# Altium PCB spin5v1_simple.PcbDoc (part 4 of 25)
Units mm, origin at the board's own origin, x right, y up, seen from the top; angles counter-clockwise.
Board outline 220.03 x 233.43 mm, 2 copper layers (TOP, BOTTOM), stack 0.176 mm thick; 1457 components, 4724 nets, 19245 pads, 25289 vias.
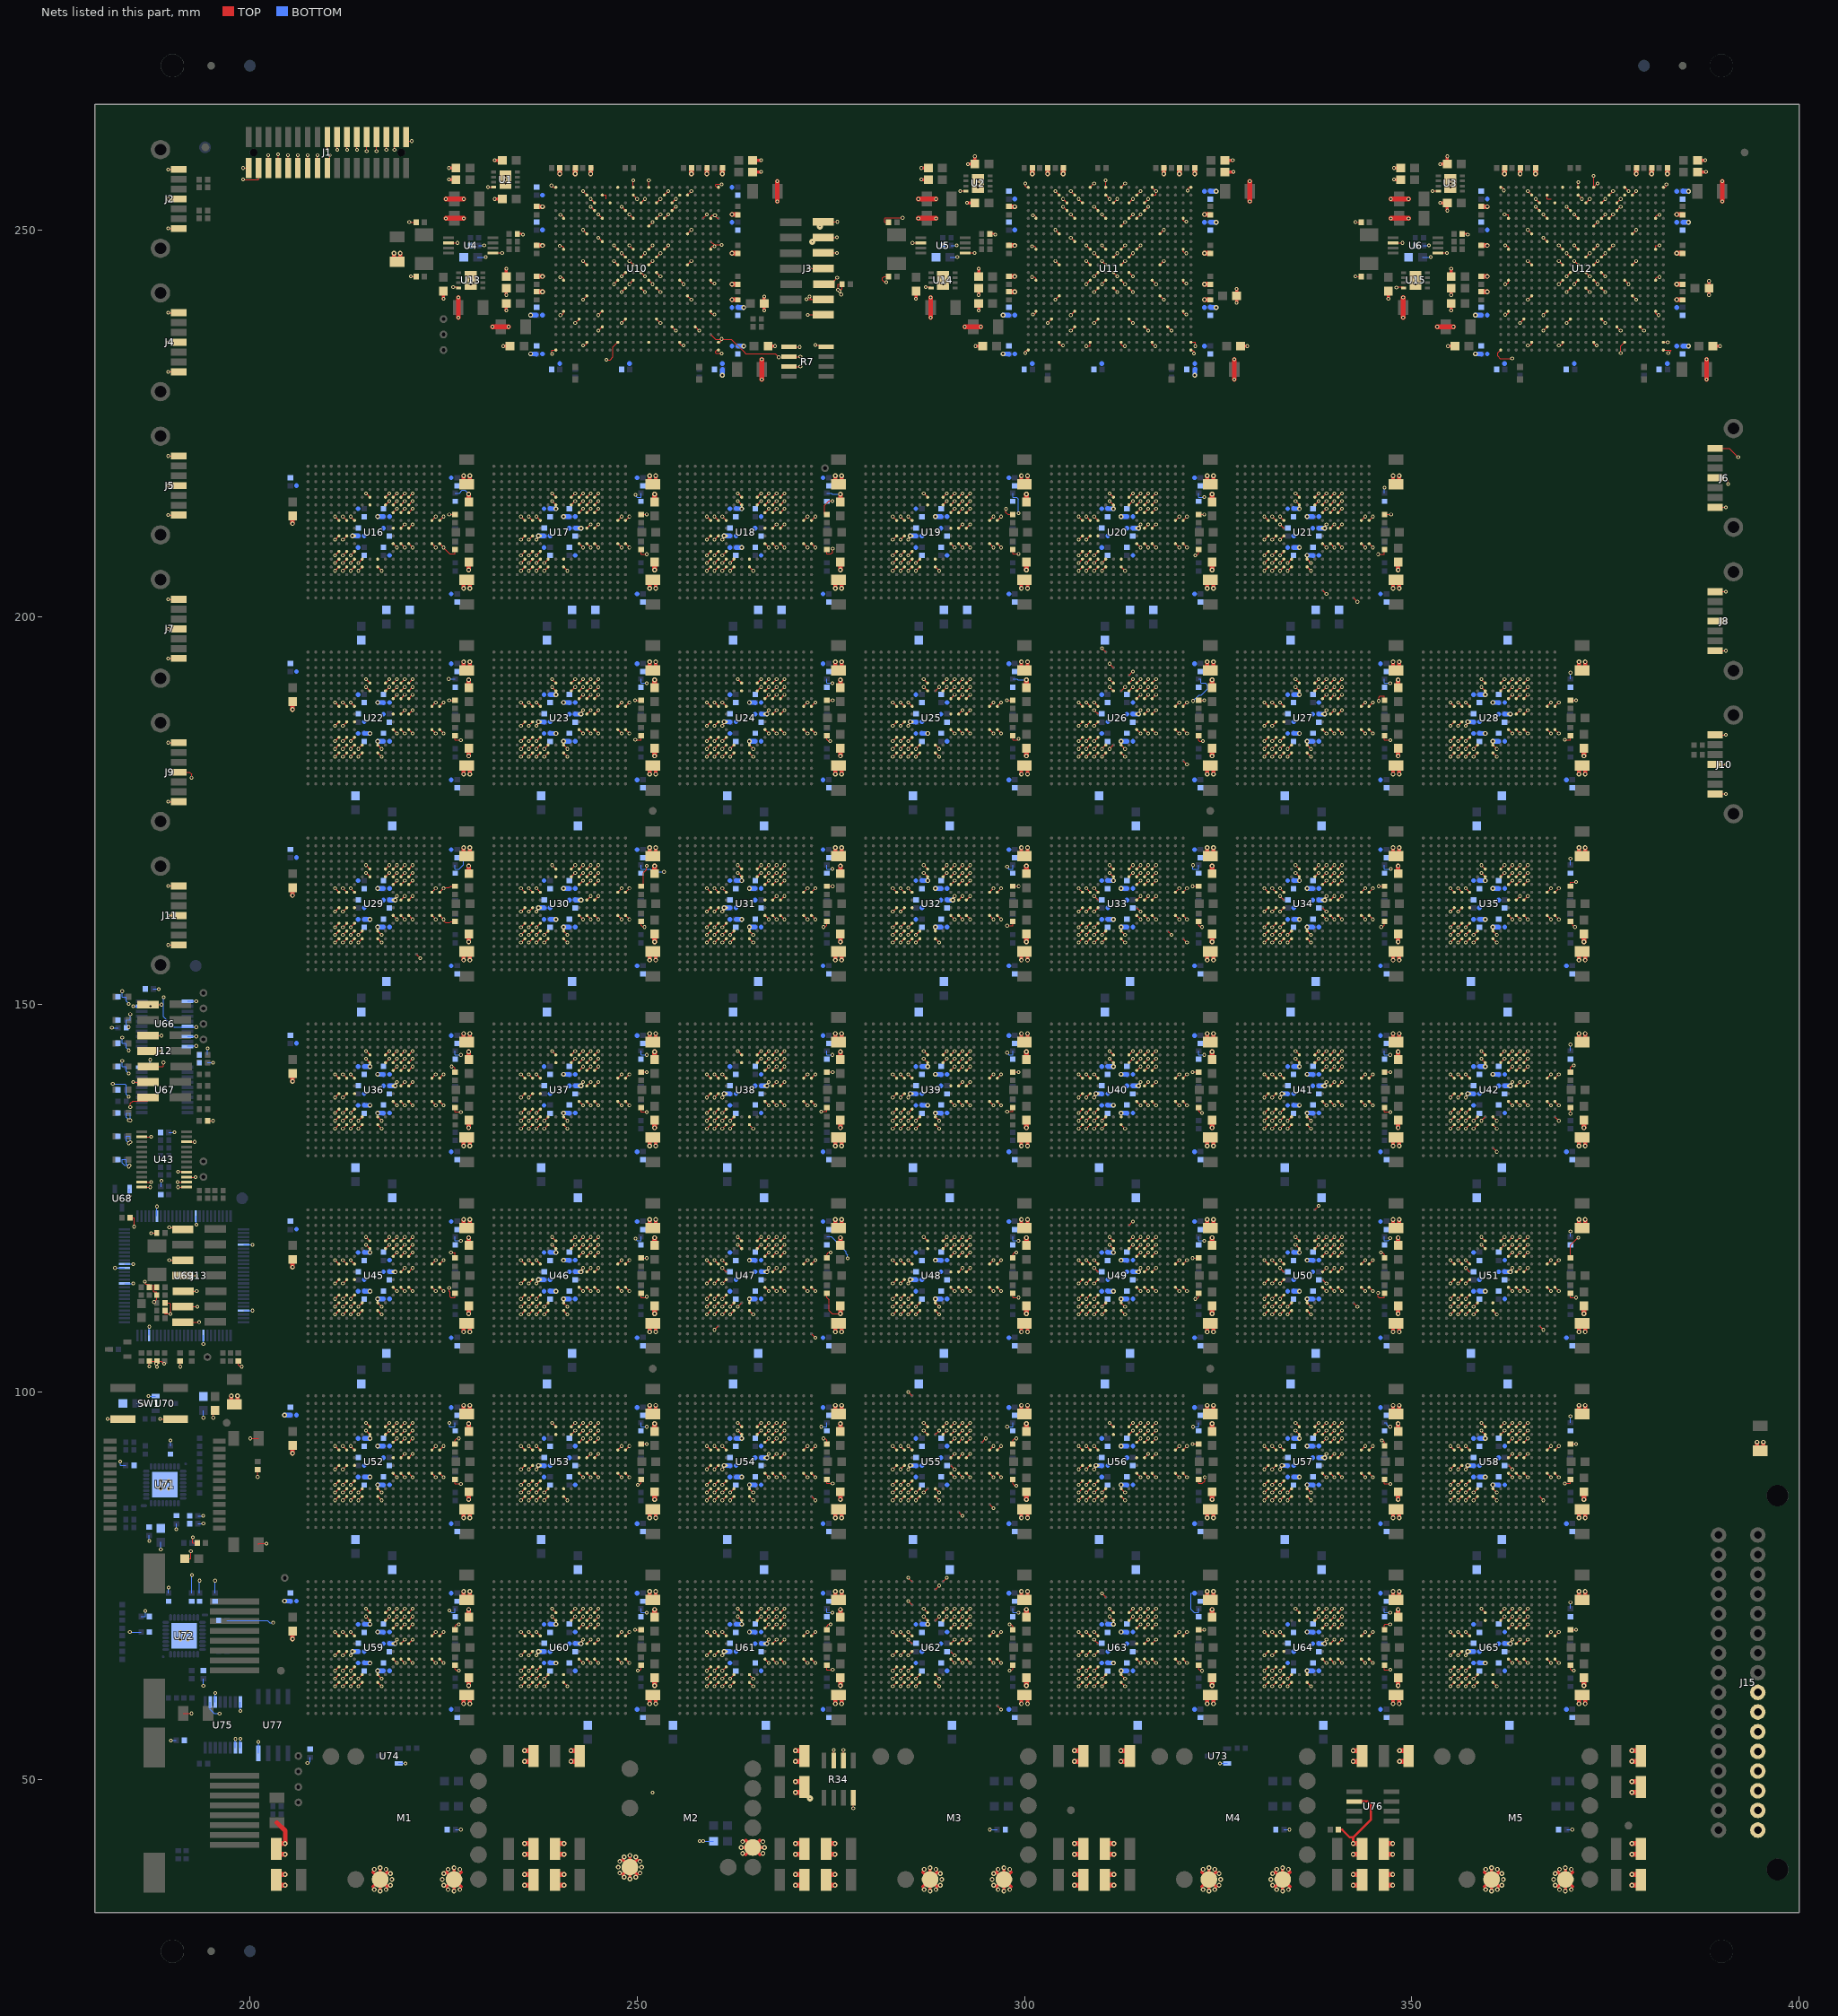
[diagram p4: the nets of this part, all layers, seen from the top]

## Via types
v1: diameter 0.48, hole 0.25, TOP to BOTTOM, 22348 vias
v2: diameter 0.61, hole 0.3, TOP to BOTTOM, 2059 vias
v3: diameter 0.8, hole 0, TOP to BOTTOM, 882 vias

## Nets (pads, with @x,y where several pads share a name; then routed paths per layer and width w, separated by ;. In a path a pad name is that pad's centre, name@x,y a point inside that pad or via, vN(x,y) a via of type N, cw(c..) or ccw(c..) an arc to the next point about the centre after c; other vN are vias at no path point) (continued)
GND: C1.2 C2.2 C3.2 C4.2 C5.2 C6.2 C7.2 C8.2 C9.2 C10.2 C11.2 C12.2 C13.2 C14.2 C15.2 C16.2 C17.2 C18.2 C19.2 C20.2 C21.2 C22.2 C23.2 C24.2 C25.2 C26.2 C27.2 C28.2 C29.2 C30.2 C32.2 C33.2 C34.2 C39.2 C43.2 C44.2 C46.2 C47.2 C48.2 C49.2 C50.2 C51.2 C56.2 C57.2 C58.2 C59.2 C60.2 C61.2 C66.2 C67.2 C69.2 C70.2 C72.2 C73.2 C74.2 C75.2 C76.2 C77.2 C78.2 C79.2 C80.2 C81.2 C82.2 C83.2 C84.2 C85.2 C86.2 C87.2 C88.2 C89.2 C90.2 C91.2 C92.2 C93.2 C94.2 C95.2 C96.2 C97.2 C98.2 C99.2 C100.2 C101.2 C102.2 C103.2 C110.2 C111.2 C112.2 C113.2 C114.2 C115.2 C120.2 C121.2 C122.2 C123.2 C124.2 C125.2 C128.2 C130.2 C131.2 C132.2 C133.2 C134.2 C135.2 C136.2 C137.2 C138.2 C139.2 C140.2 C141.2 C142.2 C143.2 C144.2 C145.2 C146.2 C147.2 C148.2 C149.2 C150.2 C151.2 C152.2 C153.2 C154.2 C155.2 C156.2 C157.2 C158.2 C159.2 C160.2 C161.2 C162.2 C163.2 C164.2 C165.2 C166.2 C167.2 C168.2 C169.2 C170.2 C171.2 C172.2 C173.2 C174.2 C175.2 C176.2 C177.2 C178.2 C179.2 C180.2 C181.2 C182.2 C183.2 C184.2 C185.2 C186.2 C187.2 C188.2 C189.2 C190.2 C191.2 C192.2 C193.2 C196.2 C197.2 C198.2 C199.2 C200.2 C201.2 C202.2 C203.2 C204.2 C205.2 C206.2 C207.2 C208.2 C209.2 C210.2 C211.2 C212.2 C213.2 C214.2 C215.2 C216.2 C217.2 C218.2 C219.2 C220.2 C221.2 C222.2 C223.2 C226.2 C227.2 C228.2 C229.2 C230.2 C231.2 C232.2 C233.2 C234.2 C235.2 C236.2 C237.2 C238.2 C239.2 C242.2 C243.2 C244.2 C245.2 C246.2 C247.2 C248.2 C249.2 C250.2 C251.2 C252.2 C253.2 C254.2 C255.2 C256.2 C257.2 C258.2 C259.2 C260.2 C261.2 C262.2 C263.2 C264.2 C265.2 C266.2 C267.2 C268.2 C269.2 C270.2 C271.2 C272.2 C273.2 C274.2 C275.2 C276.2 C277.2 C278.2 C279.2 C280.2 C281.2 C282.2 C283.2 C284.2 C285.2 C286.2 C287.2 C288.2 C289.2 C290.2 C291.2 C292.2 C293.2 C294.2 C295.2 C296.2 C297.2 C298.2 C299.2 C300.2 C301.2 C302.2 C303.2 C304.2 C305.2 C306.2 C307.2 C308.2 C309.2 C310.2 C311.2 C312.2 C313.2 C314.2 C315.2 C316.2 C317.2 C318.2 C319.2 C320.2 C321.2 C322.2 C323.2 C324.2 C325.2 C326.2 C327.2 C328.2 C329.2 C330.2 C331.2 C332.2 C333.2 C334.2 C335.2 C336.2 C337.2 C338.2 C339.2 C340.2 C341.2 C342.2 C343.2 C344.2 C345.2 C346.2 C347.2 C348.2 C349.2 C350.2 C351.2 C352.2 C353.2 C354.2 C355.2 C356.2 C357.2 C358.2 C359.2 C360.2 C361.2 C362.2 C364.2 C365.2 C366.2 C367.2 C368.2 C369.2 C370.2 C371.2 C372.2 C373.2 C374.2 C375.2 C376.2 C377.2 C378.2 C379.2 C380.2 C381.2 C382.2 C383.2 C384.2 C385.2 C386.2 C387.2 C389.2 C390.2 C391.2 C392.2 C393.2 C394.2 C395.2 C396.2 C397.2 C398.2 C399.2 C400.2 C401.2 C402.2 C403.2 C404.2 C405.2 C406.2 C407.2 C408.2 C409.2 C410.2 C411.2 C412.2 C413.2 C414.2 C415.2 C416.2 C417.2 C418.2 C419.2 C420.2 C421.2 C422.2 C423.2 C424.2 C425.2 C426.2 C427.2 C428.2 C429.2 C430.2 C431.2 C432.2 C433.2 C434.2 C435.2 C436.2 C437.2 C438.2 C439.2 C440.2 C441.2 C442.2 C443.2 C444.2 C445.2 C446.2 C447.2 C448.2 C449.2 C450.2 C451.2 C452.2 C453.2 C454.2 C455.2 C456.2 C457.2 C458.2 C459.2 C460.2 C461.2 C462.2 C463.2 C464.2 C465.2 C466.2 C467.2 C468.2 C469.2 C470.2 C471.2 C472.2 C473.2 C476.2 C477.2 C478.2 C479.2 C480.2 C481.2 C484.2 C485.2 C486.2 C487.2 C488.2 C489.2 C490.2 C491.2 C492.2 C495.2 C496.2 C497.2 C498.2 C499.2 C500.2 C503.2 C504.2 C505.2 C506.2 C507.2 C508.2 C509.2 C510.2 C511.2 C512.2 C513.2 C514.2 C515.2 C516.2 C517.2 C518.2 C519.2 C520.2 C521.2 C522.2 C523.2 C524.2 C525.2 C526.2 C527.2 C528.2 C529.2 C530.2 C531.2 C532.2 C533.2 C534.2 C535.2 C536.2 C537.2 C538.2 C539.2 C540.2 C541.2 C542.2 C543.2 C544.2 C549.2 C550.2 C551.2 C552.2 C553.2 C554.2 C555.2 C556.2 C557.2 C558.2 C559.2 C560.2 C561.2 C562.2 C563.2 C564.2 C565.2 C566.2 C567.2 C572.2 C573.2 C574.2 C575.2 C576.2 C577.2 C578.2 C579.2 C580.2 C581.2 C582.2 C583.2 C584.2 C585.2 C586.2 C587.2 C588.2 C589.2 C590.2 C591.2 C592.2 C593.2 C594.2 C595.2 C596.2 C597.2 C598.2 C599.2 C600.2 C601.2 C602.2 C603.2 C604.2 C605.2 C606.2 C607.2 C608.2 C609.2 C610.2 C611.2 C612.2 C613.2 C614.2 C615.2 C616.2 C617.2 C618.2 C619.2 C620.2 C625.2 C626.2 C627.2 C628.2 C629.2 C630.2 C631.2 C634.2 C635.2 C636.2 C637.2 C638.2 C639.2 C640.2 C641.2 C642.2 C643.2 C644.2 C645.2 C646.2 C647.2 C648.2 C649.2 C650.2 C651.2 C652.2 C653.2 C654.2 C655.2 C656.2 C657.2 C658.2 C659.2 C660.2 C661.2 C662.2 C663.2 C664.2 C665.2 C666.2 C667.2 C668.2 C669.2 C670.2 C671.2 C672.2 C673.2 C674.2 C675.2 C676.2 C677.2 C678.2 C679.2 C680.2 C681.2 C682.2 C683.2 C684.2 C685.2 C686.2 C687.2 C688.2 C689.2 C690.2 C691.2 C692.2 C693.2 C694.2 C695.2 C696.2 C697.2 C698.2 C699.2 C700.2 C701.2 C702.2 C703.2 C704.2 C705.2 C706.2 C707.2 C708.2 C709.2 C710.2 C711.2 C712.2 C713.2 C714.2 C715.2 C716.2 C717.2 C718.2 C719.2 C720.2 C721.2 C722.2 C723.2 C724.2 C725.2 C726.2 C727.2 C728.2 C729.2 C730.2 C731.2 C732.2 C733.2 C734.2 C735.2 C736.2 C737.2 C738.2 C739.2 C740.2 C741.2 C742.2 C743.2 C744.2 C745.2 C746.2 C747.2 C748.2 C749.2 C750.2 C751.2 C752.2 C753.2 C754.2 C755.2 C756.2 C757.2 C758.2 C759.2 C760.2 C761.2 C762.2 C763.2 C764.2 C765.2 C766.2 C767.2 C768.2 C769.2 C770.2 C771.2 C772.2 C773.2 C774.2 C775.2 C776.2 C777.2 C778.2 C779.2 C780.2 C781.2 C782.2 C783.2 C784.2 C785.2 C786.2 C787.2 C788.2 C789.2 C790.2 C791.2 C792.2 C793.2 C794.2 C795.2 C796.2 C797.2 C798.2 C799.2 C800.2 C801.2 C802.2 C803.2 C804.2 C805.2 C806.2 C807.2 C808.2 C809.2 C810.2 C811.2 C812.2 C813.2 C814.2 C815.2 C816.2 C817.2 C818.2 C819.2 C820.2 C821.2 C822.2 C823.2 C824.2 C825.2 C826.2 C827.2 C828.2 C829.2 C830.2 C831.2 C832.2 C833.2 C834.2 C835.2 C836.2 C837.2 C838.2 C839.2 C840.2 C841.2 C842.2 C843.2 C844.2 C845.2 C846.2 C847.2 C848.2 C849.2 C850.2 C851.2 C852.2 C853.2 C854.2 C855.2 C856.2 C857.2 C858.2 C859.2 C860.2 C861.2 C862.2 C863.2 C864.2 C865.2 C866.2 C867.2 C868.2 C869.2 C870.2 C871.2 C872.2 C873.2 C874.2 C875.2 C876.2 C877.2 C878.2 C879.2 C880.2 C881.2 C882.2 C883.2 C884.2 C885.2 C886.2 C887.2 C888.2 C889.2 C890.2 C891.2 C892.2 C893.2 C894.2 C895.2 C896.2 C897.2 C898.2 C899.2 C900.2 C901.2 C902.2 C903.2 C904.2 C905.2 C906.2 C907.2 C908.2 C909.2 C910.2 C911.2 C912.2 C913.2 C914.2 C915.2 C916.2 C917.2 C918.2 C919.2 C920.2 C921.2 C922.2 C923.2 C924.2 C925.2 C926.2 C927.2 C928.2 C929.2 C930.2 C931.2 C932.2 C933.2 C934.2 C935.2 C936.2 C937.2 C938.2 C939.2 C940.2 C941.2 C942.2 C943.2 C944.2 C945.2 C946.2 C947.2 C948.2 C949.2 C950.2 C951.2 C952.2 C953.2 C954.2 C955.2 C956.2 C957.2 C958.2 C959.2 C960.2 C961.2 C962.2 C963.2 C964.2 C965.2 C966.2 C967.2 C968.2 C969.2 C970.2 C971.2 C972.2 C973.2 C974.2 C975.2 C976.2 C977.2 C978.2 C979.2 C980.2 C981.2 C982.2 C983.2 C984.2 C985.2 C986.2 C987.2 C988.2 C989.2 C990.2 C991.2 C993.2 C994.2 C995.2 C996.2 C997.2 C998.2 C999.2 C1000.2 C1001.2 C1002.2 C1003.2 C1004.2 C1005.2 C1006.2 C1007.2 C1008.2 C1009.2 C1011.2 C1012.2 C1013.2 C1014.2 C1015.2 C1016.2 C1017.2 C1018.2 C1019.2 C1020.2 C1021.2 C1022.2 C1023.2 C1024.2 C1025.2 J1.1 J1.3 J1.5 J1.7 J1.9 J1.11 J1.13 J1.15 J1.17 J1.18 J1.20 J1.22 J1.24 J1.26 J1.28 J1.30 J1.32 J1.34 J2.1 J2.4 J2.7 J3.1 J3.3 J3.5 J3.7 J3.9 J3.11 J3.13 J4.1 J4.4 J4.7 J5.1 J5.4 J5.7 J6.1 J6.4 J6.7 J7.1 J7.4 J7.7 J8.1 J8.4 J8.7 J9.1 J9.4 J9.7 J10.1 J10.4 J10.7 J11.1 J11.4 J11.7 J12.2 J12.4 J12.6 J12.8 J12.10 J12.14 J13.2 J13.4 J13.6 J13.8 J13.10 J13.14 J15.A9 J15.A10 J15.A11 J15.A12 J15.A13 J15.A14 J15.A15 J15.A16 M1.3 M1.4 M2.3 M2.6 M3.3 M3.4 M4.3 M4.4 M5.3 M5.4 R4.2 R7.4 R7.5 R7.6 R7.7 R23.2 R26.2 R27.2 R32.2 R33.2 R34.4 R34.6 R34.7 R46.2 R47.2 R48.2 R49.2 R50.2 R51.2 R58.2 R59.2 R60.2 R61.2 R62.2 R63.2 R64.2 R72.2 R73.2 R74.2 R75.2 R76.2 R77.2 R78.2 R86.1 R87.1 R88.2 R89.1 R90.2 R91.2 R92.2 R93.2 R94.2 R95.2 R96.2 R97.1 R98.1 R100.1 R108.1 R112.1 R116.2 R117.2 R118.2 R119.2 R120.2 R121.2 R122.2 R133.2 R134.2 R135.2 R136.2 R137.2 R138.2 R139.2 R142.2 R157.2 R161.2 R163.2 R164.2 R165.2 R166.2 R167.2 R168.2 R169.2 R170.2 R171.2 R198.2 R199.2 R200.2 R201.2 R202.1 SW1.3 SW1.4 U1.4 U1.9 U2.4 U2.9 U3.4 U3.9 U4.2 U4.5 U5.2 U5.5 U6.2 U6.5 U10.A1 U10.A9 U10.A11 U10.A13 U10.A22 U10.AA5 U10.AA9 U10.AA13 U10.AA17 U10.AA22 U10.AB1 U10.AB22 U10.B5 U10.B7 U10.B11 U10.B15 U10.B17 U10.B18 U10.C6 U10.C8 U10.C12 U10.C14 U10.C16 U10.D6 U10.D10 U10.D16 U10.E2 U10.E7 U10.E11 U10.E14 U10.E15 U10.E21 U10.F13 U10.G5 U10.G18 U10.H7 U10.J2 U10.J9 U10.J11 U10.J13 U10.J15 U10.J21 U10.K10 U10.K12 U10.K14 U10.L5 U10.L9 U10.L11 U10.L13 U10.L18 U10.M10 U10.M12 U10.M14 U10.N2 U10.N9 U10.N11 U10.N13 U10.N17 U10.N21 U10.P10 U10.P12 U10.P14 U10.R5 U10.R18 U10.U2 U10.U7 U10.U21 U10.V4 U10.V10 U10.V14 U10.W7 U10.W16 U10.W19 U11.A1 U11.A9 U11.A11 U11.A13 U11.A17 U11.A22 U11.AA5 U11.AA9 U11.AA13 U11.AA17 U11.AA22 U11.AB1 U11.AB22 U11.B5 U11.B7 U11.B11 U11.B15 U11.B17 U11.C6 U11.C8 U11.C12 U11.C14 U11.C16 U11.D6 U11.D10 U11.D16 U11.E2 U11.E7 U11.E11 U11.E14 U11.E15 U11.E21 U11.F13 U11.G5 U11.G18 U11.H7 U11.J2 U11.J9 U11.J11 U11.J13 U11.J15 U11.J21 U11.K10 U11.K12 U11.K14 U11.L5 U11.L9 U11.L11 U11.L13 U11.L18 U11.M10 U11.M12 U11.M14 U11.N2 U11.N9 U11.N11 U11.N13 U11.N17 U11.N21 U11.P10 U11.P12 U11.P14 U11.R5 U11.R18 U11.U2 U11.U7 U11.U21 U11.V4 U11.V10 U11.V14 U11.W7 U11.W16 U11.W19 U12.A1 U12.A9 U12.A11 U12.A13 U12.A17 U12.A22 U12.AA5 U12.AA9 U12.AA13 U12.AA17 U12.AA22 U12.AB1 U12.AB22 U12.B5 U12.B7 U12.B11 U12.B15 U12.B17 U12.B18 U12.C6 U12.C8 U12.C12 U12.C14 U12.C16 U12.D6 U12.D10 U12.D16 U12.E2 U12.E7 U12.E11 U12.E14 U12.E15 U12.E21 U12.F13 U12.G5 U12.G18 U12.H7 U12.J2 U12.J9 U12.J11 U12.J13 U12.J15 U12.J21 U12.K10 U12.K12 U12.K14 U12.L5 U12.L9 U12.L11 U12.L13 U12.L18 U12.M10 U12.M12 U12.M14 U12.N2 U12.N9 U12.N11 U12.N13 U12.N17 U12.N21 U12.P10 U12.P12 U12.P14 U12.R5 U12.R18 U12.U2 U12.U7 U12.U21 U12.V4 U12.V10 U12.V14 U12.W7 U12.W16 U12.W19 U13.4 U13.9 U14.4 U14.9 U15.4 U15.9 U16.E9 U16.E11 U16.E12 U16.E13 U16.E14 U16.F9 U16.F11 U16.F12 U16.F13 U16.F14 U16.G12 U16.G13 U16.G14 U16.H5 U16.H6 U16.H7 U16.H17 U16.H18 U16.J12 U16.J13 U16.J14 U16.K5 U16.K6 U16.K7 U16.L12 U16.L13 U16.L14 U16.L17 U16.L18 U16.M5 U16.M6 U16.M7 U16.N5 U16.N6 U16.N7 U16.N8 U16.N10 U16.P5 U16.P6 U16.P7 U16.P8 U16.P10 U17.E9 U17.E11 U17.E12 U17.E13 U17.E14 U17.F9 U17.F11 U17.F12 U17.F13 U17.F14 U17.G12 U17.G13 U17.G14 U17.H5 U17.H6 U17.H7 U17.H17 U17.H18 U17.J12 U17.J13 U17.J14 U17.K5 U17.K6 U17.K7 U17.L12 U17.L13 U17.L14 U17.L17 U17.L18 U17.M5 U17.M6 U17.M7 U17.N5 U17.N6 U17.N7 U17.N8 U17.N10 U17.P5 U17.P6 U17.P7 U17.P8 U17.P10 U18.E9 U18.E11 U18.E12 U18.E13 U18.E14 U18.F9 U18.F11 U18.F12 U18.F13 U18.F14 U18.G12 U18.G13 U18.G14 U18.H5 U18.H6 U18.H7 U18.H17 U18.H18 U18.J12 U18.J13 U18.J14 U18.K5 U18.K6 U18.K7 U18.L12 U18.L13 U18.L14 U18.L17 U18.L18 U18.M5 U18.M6 U18.M7 U18.N5 U18.N6 U18.N7 U18.N8 U18.N10 U18.P5 U18.P6 U18.P7 U18.P8 U18.P10 U19.E9 U19.E11 U19.E12 U19.E13 U19.E14 U19.F9 U19.F11 U19.F12 U19.F13 U19.F14 U19.G12 U19.G13 U19.G14 U19.H5 U19.H6 U19.H7 U19.H17 U19.H18 U19.J12 U19.J13 U19.J14 U19.K5 U19.K6 U19.K7 U19.L12 U19.L13 U19.L14 U19.L17 U19.L18 U19.M5 U19.M6 U19.M7 U19.N5 U19.N6 U19.N7 U19.N8 U19.N10 U19.P5 U19.P6 U19.P7 U19.P8 U19.P10 U20.E9 U20.E11 U20.E12 U20.E13 U20.E14 U20.F9 U20.F11 U20.F12 U20.F13 U20.F14 U20.G12 U20.G13 U20.G14 U20.H5 U20.H6 U20.H7 U20.H17 U20.H18 U20.J12 U20.J13 U20.J14 U20.K5 U20.K6 U20.K7 U20.L12 U20.L13 U20.L14 U20.L17 U20.L18 U20.M5 U20.M6 U20.M7 U20.N5 U20.N6 U20.N7 U20.N8 U20.N10 U20.P5 U20.P6 U20.P7 U20.P8 U20.P10 U21.E9 U21.E11 U21.E12 U21.E13 U21.E14 U21.F9 U21.F11 U21.F12 U21.F13 U21.F14 U21.G12 U21.G13 U21.G14 U21.H5 U21.H6 U21.H7 U21.H17 U21.H18 U21.J12 U21.J13 U21.J14 U21.K5 U21.K6 U21.K7 U21.L12 U21.L13 U21.L14 U21.L17 U21.L18 U21.M5 U21.M6 U21.M7 U21.N5 U21.N6 U21.N7 U21.N8 U21.N10 U21.P5 U21.P6 U21.P7 U21.P8 U21.P10 U22.E9 U22.E11 U22.E12 U22.E13 U22.E14 U22.F9 U22.F11 U22.F12 U22.F13 U22.F14 U22.G12 U22.G13 U22.G14 U22.H5 U22.H6 U22.H7 U22.H17 U22.H18 U22.J12 U22.J13 U22.J14 U22.K5 U22.K6 U22.K7 U22.L12 U22.L13 U22.L14 U22.L17 U22.L18 U22.M5 U22.M6 U22.M7 U22.N5 U22.N6 U22.N7 U22.N8 U22.N10 U22.P5 U22.P6 U22.P7 U22.P8 U22.P10 U23.E9 U23.E11 U23.E12 U23.E13 U23.E14 U23.F9 U23.F11 U23.F12 U23.F13 U23.F14 U23.G12 U23.G13 U23.G14 U23.H5 U23.H6 U23.H7 U23.H17 U23.H18 U23.J12 U23.J13 U23.J14 U23.K5 U23.K6 U23.K7 U23.L12 U23.L13 U23.L14 U23.L17 U23.L18 U23.M5 U23.M6 U23.M7 U23.N5 U23.N6 U23.N7 U23.N8 U23.N10 U23.P5 U23.P6 U23.P7 U23.P8 U23.P10 U24.E9 U24.E11 U24.E12 U24.E13 U24.E14 U24.F9 U24.F11 U24.F12 U24.F13 U24.F14 U24.G12 U24.G13 U24.G14 U24.H5 U24.H6 U24.H7 U24.H17 U24.H18 U24.J12 U24.J13 U24.J14 U24.K5 U24.K6 U24.K7 U24.L12 U24.L13 U24.L14 U24.L17 U24.L18 U24.M5 U24.M6 U24.M7 U24.N5 U24.N6 U24.N7 U24.N8 U24.N10 U24.P5 U24.P6 U24.P7 U24.P8 U24.P10 U25.E9 U25.E11 U25.E12 U25.E13 U25.E14 U25.F9 U25.F11 U25.F12 U25.F13 U25.F14 U25.G12 U25.G13 U25.G14 U25.H5 U25.H6 U25.H7 U25.H17 U25.H18 U25.J12 U25.J13 U25.J14 U25.K5 U25.K6 U25.K7 U25.L12 U25.L13 U25.L14 U25.L17 U25.L18 U25.M5 U25.M6 U25.M7 U25.N5 U25.N6 U25.N7 U25.N8 U25.N10 U25.P5 U25.P6 U25.P7 U25.P8 U25.P10 U26.E9 U26.E11 U26.E12 U26.E13 U26.E14 U26.F9 U26.F11 U26.F12 U26.F13 U26.F14 U26.G12 U26.G13 U26.G14 U26.H5 U26.H6 U26.H7 U26.H17 U26.H18 U26.J12 U26.J13 U26.J14 U26.K5 U26.K6 U26.K7 U26.L12 U26.L13 U26.L14 U26.L17 U26.L18 U26.M5 U26.M6 U26.M7 U26.N5 U26.N6 U26.N7 U26.N8 U26.N10 U26.P5 U26.P6 U26.P7 U26.P8 U26.P10 U27.E9 U27.E11 U27.E12 U27.E13 U27.E14 U27.F9 U27.F11 U27.F12 U27.F13 U27.F14 U27.G12 U27.G13 U27.G14 U27.H5 U27.H6 U27.H7 U27.H17 U27.H18 U27.J12 U27.J13 U27.J14 U27.K5 U27.K6 U27.K7 U27.L12 U27.L13 U27.L14 U27.L17 U27.L18 U27.M5 U27.M6 U27.M7 U27.N5 U27.N6 U27.N7 U27.N8 U27.N10 U27.P5 U27.P6 U27.P7 U27.P8 U27.P10 U28.E9 U28.E11 U28.E12 U28.E13 U28.E14 U28.F9 U28.F11 U28.F12 U28.F13 U28.F14 U28.G12 U28.G13 U28.G14 U28.H5 U28.H6 U28.H7 U28.H17 U28.H18 U28.J12 U28.J13 U28.J14 U28.K5 U28.K6 U28.K7 U28.L12 U28.L13 U28.L14 U28.L17 U28.L18 U28.M5 U28.M6 U28.M7 U28.N5 U28.N6 U28.N7 U28.N8 U28.N10 U28.P5 U28.P6 U28.P7 U28.P8 U28.P10 U29.E9 U29.E11 U29.E12 U29.E13 U29.E14 U29.F9 U29.F11 U29.F12 U29.F13 U29.F14 U29.G12 U29.G13 U29.G14 U29.H5 U29.H6 U29.H7 U29.H17 U29.H18 U29.J12 U29.J13 U29.J14 U29.K5 U29.K6 U29.K7 U29.L12 U29.L13 U29.L14 U29.L17 U29.L18 U29.M5 U29.M6 U29.M7 U29.N5 U29.N6 U29.N7 U29.N8 U29.N10 U29.P5 U29.P6 U29.P7 U29.P8 U29.P10 U30.E9 U30.E11 U30.E12 U30.E13 U30.E14 U30.F9 U30.F11 U30.F12 U30.F13 U30.F14 U30.G12 U30.G13 U30.G14 U30.H5 U30.H6 U30.H7 U30.H17 U30.H18 U30.J12 U30.J13 U30.J14 U30.K5 U30.K6 U30.K7 U30.L12 U30.L13 U30.L14 U30.L17 U30.L18 U30.M5 U30.M6 U30.M7 U30.N5 U30.N6 U30.N7 U30.N8 U30.N10 U30.P5 U30.P6 U30.P7 U30.P8 U30.P10 U31.E9 U31.E11 U31.E12 U31.E13 U31.E14 U31.F9 U31.F11 U31.F12 U31.F13 U31.F14 U31.G12 U31.G13 U31.G14 U31.H5 U31.H6 U31.H7 U31.H17 U31.H18 U31.J12 U31.J13 U31.J14 U31.K5 U31.K6 U31.K7 U31.L12 U31.L13 U31.L14 U31.L17 U31.L18 U31.M5 U31.M6 U31.M7 U31.N5 U31.N6 U31.N7 U31.N8 U31.N10 U31.P5 U31.P6 U31.P7 U31.P8 U31.P10 U32.E9 U32.E11 U32.E12 U32.E13 U32.E14 U32.F9 U32.F11 U32.F12 U32.F13 U32.F14 U32.G12 U32.G13 U32.G14 U32.H5 U32.H6 U32.H7 U32.H17 U32.H18 U32.J12 U32.J13 U32.J14 U32.K5 U32.K6 U32.K7 U32.L12 U32.L13 U32.L14 U32.L17 U32.L18 U32.M5 U32.M6 U32.M7 U32.N5 U32.N6 U32.N7 U32.N8 U32.N10 U32.P5 U32.P6 U32.P7 U32.P8 U32.P10 U33.E9 U33.E11 U33.E12 U33.E13 U33.E14 U33.F9 U33.F11 U33.F12 U33.F13 U33.F14 U33.G12 U33.G13 U33.G14 U33.H5 U33.H6 U33.H7 U33.H17 U33.H18 U33.J12 U33.J13 U33.J14 U33.K5 U33.K6 U33.K7 U33.L12 U33.L13 U33.L14 U33.L17 U33.L18 U33.M5 U33.M6 U33.M7 U33.N5 U33.N6 U33.N7 U33.N8 U33.N10 U33.P5 U33.P6 U33.P7 U33.P8 U33.P10 U34.E9 U34.E11 U34.E12 U34.E13 U34.E14 U34.F9 U34.F11 U34.F12 U34.F13 U34.F14 U34.G12 U34.G13 U34.G14 U34.H5 U34.H6 U34.H7 U34.H17 U34.H18 U34.J12 U34.J13 U34.J14 U34.K5 U34.K6 U34.K7 U34.L12 U34.L13 U34.L14 U34.L17 U34.L18 U34.M5 U34.M6 U34.M7 U34.N5 U34.N6 U34.N7 U34.N8 U34.N10 U34.P5 U34.P6 U34.P7 U34.P8 U34.P10 U35.E9 U35.E11 U35.E12 U35.E13 U35.E14 U35.F9 U35.F11 U35.F12 U35.F13 U35.F14 U35.G12 U35.G13 U35.G14 U35.H5 U35.H6 U35.H7 U35.H17 U35.H18 U35.J12 U35.J13 U35.J14 U35.K5 U35.K6 U35.K7 U35.L12 U35.L13 U35.L14 U35.L17 U35.L18 U35.M5 U35.M6 U35.M7 U35.N5 U35.N6 U35.N7 U35.N8 U35.N10 U35.P5 U35.P6 U35.P7 U35.P8 U35.P10 U36.E9 U36.E11 U36.E12 U36.E13 U36.E14 U36.F9 U36.F11 U36.F12 U36.F13 U36.F14 U36.G12 U36.G13 U36.G14 U36.H5 U36.H6 U36.H7 U36.H17 U36.H18 U36.J12 U36.J13 U36.J14 U36.K5 U36.K6 U36.K7 U36.L12 U36.L13 U36.L14 U36.L17 U36.L18 U36.M5 U36.M6 U36.M7 U36.N5 U36.N6 U36.N7 U36.N8 U36.N10 U36.P5 U36.P6 U36.P7 U36.P8 U36.P10 U37.E9 U37.E11 U37.E12 U37.E13 U37.E14 U37.F9 U37.F11 U37.F12 U37.F13 U37.F14 U37.G12 U37.G13 U37.G14 U37.H5 U37.H6 U37.H7 U37.H17 U37.H18 U37.J12 U37.J13 U37.J14 U37.K5 U37.K6 U37.K7 U37.L12 U37.L13 U37.L14 U37.L17 U37.L18 U37.M5 U37.M6 U37.M7 U37.N5 U37.N6 U37.N7 U37.N8 U37.N10 U37.P5 U37.P6 U37.P7 U37.P8 U37.P10 U38.E9 U38.E11 U38.E12 U38.E13 U38.E14 U38.F9 U38.F11 U38.F12 U38.F13 U38.F14 U38.G12 U38.G13 U38.G14 U38.H5 U38.H6 U38.H7 U38.H17 U38.H18 U38.J12 U38.J13 U38.J14 U38.K5 U38.K6 U38.K7 U38.L12 U38.L13 U38.L14 U38.L17 U38.L18 U38.M5 U38.M6 U38.M7 U38.N5 U38.N6 U38.N7 U38.N8 U38.N10 U38.P5 U38.P6 U38.P7 U38.P8 U38.P10 U39.E9 U39.E11 U39.E12 U39.E13 U39.E14 U39.F9 U39.F11 U39.F12 U39.F13 U39.F14 U39.G12 U39.G13 U39.G14 U39.H5 U39.H6 U39.H7 U39.H17 U39.H18 U39.J12 U39.J13 U39.J14 U39.K5 U39.K6 U39.K7 U39.L12 U39.L13 U39.L14 U39.L17 U39.L18 U39.M5 U39.M6 U39.M7 U39.N5 U39.N6 U39.N7 U39.N8 U39.N10 U39.P5 U39.P6 U39.P7 U39.P8 U39.P10 U40.E9 U40.E11 U40.E12 U40.E13 U40.E14 U40.F9 U40.F11 U40.F12 U40.F13 U40.F14 U40.G12 U40.G13 U40.G14 U40.H5 U40.H6 U40.H7 U40.H17 U40.H18 U40.J12 U40.J13 U40.J14 U40.K5 U40.K6 U40.K7 U40.L12 U40.L13 U40.L14 U40.L17 U40.L18 U40.M5 U40.M6 U40.M7 U40.N5 U40.N6 U40.N7 U40.N8 U40.N10 U40.P5 U40.P6 U40.P7 U40.P8 U40.P10 U41.E9 U41.E11 U41.E12 U41.E13 U41.E14 U41.F9 U41.F11 U41.F12 U41.F13 U41.F14 U41.G12 U41.G13 U41.G14 U41.H5 U41.H6 U41.H7 U41.H17 U41.H18 U41.J12 U41.J13 U41.J14 U41.K5 U41.K6 U41.K7 U41.L12 U41.L13 U41.L14 U41.L17 U41.L18 U41.M5 U41.M6 U41.M7 U41.N5 U41.N6 U41.N7 U41.N8 U41.N10 U41.P5 U41.P6 U41.P7 U41.P8 U41.P10 U42.E9 U42.E11 U42.E12 U42.E13 U42.E14 U42.F9 U42.F11 U42.F12 U42.F13 U42.F14 U42.G12 U42.G13 U42.G14 U42.H5 U42.H6 U42.H7 U42.H17 U42.H18 U42.J12 U42.J13 U42.J14 U42.K5 U42.K6 U42.K7 U42.L12 U42.L13 U42.L14 U42.L17 U42.L18 U42.M5 U42.M6 U42.M7 U42.N5 U42.N6 U42.N7 U42.N8 U42.N10 U42.P5 U42.P6 U42.P7 U42.P8 U42.P10 U43.2 U43.11 U43.12 U43.13 U43.14 U43.15 U43.16 U43.22 U45.E9 U45.E11 U45.E12 U45.E13 U45.E14 U45.F9 U45.F11 U45.F12 U45.F13 U45.F14 U45.G12 U45.G13 U45.G14 U45.H5 U45.H6 U45.H7 U45.H17 U45.H18 U45.J12 U45.J13 U45.J14 U45.K5 U45.K6 U45.K7 U45.L12 U45.L13 U45.L14 U45.L17 U45.L18 U45.M5 U45.M6 U45.M7 U45.N5 U45.N6 U45.N7 U45.N8 U45.N10 U45.P5 U45.P6 U45.P7 U45.P8 U45.P10 U46.E9 U46.E11 U46.E12 U46.E13 U46.E14 U46.F9 U46.F11 U46.F12 U46.F13 U46.F14 U46.G12 U46.G13 U46.G14 U46.H5 U46.H6 U46.H7 U46.H17 U46.H18 U46.J12 U46.J13 U46.J14 U46.K5 U46.K6 U46.K7 U46.L12 U46.L13 U46.L14 U46.L17 U46.L18 U46.M5 U46.M6 U46.M7 U46.N5 U46.N6 U46.N7 U46.N8 U46.N10 U46.P5 U46.P6 U46.P7 U46.P8 U46.P10 U47.E9 U47.E11 U47.E12 U47.E13 U47.E14 U47.F9 U47.F11 U47.F12 U47.F13 U47.F14 U47.G12 U47.G13 U47.G14 U47.H5 U47.H6 U47.H7 U47.H17 U47.H18 U47.J12 U47.J13 U47.J14 U47.K5 U47.K6 U47.K7 U47.L12 U47.L13 U47.L14 U47.L17 U47.L18 U47.M5 U47.M6 U47.M7 U47.N5 U47.N6 U47.N7 U47.N8 U47.N10 U47.P5 U47.P6 U47.P7 U47.P8 U47.P10 U48.E9 U48.E11 U48.E12 U48.E13 U48.E14 U48.F9 U48.F11 U48.F12 U48.F13 U48.F14 U48.G12 U48.G13 U48.G14 U48.H5 U48.H6 U48.H7 U48.H17 U48.H18 U48.J12 U48.J13 U48.J14 U48.K5 U48.K6 U48.K7 U48.L12 U48.L13 U48.L14 U48.L17 U48.L18 U48.M5 U48.M6 U48.M7 U48.N5 U48.N6 U48.N7 U48.N8 U48.N10 U48.P5 U48.P6 U48.P7 U48.P8 U48.P10 U49.E9 U49.E11 U49.E12 U49.E13 U49.E14 U49.F9 U49.F11 U49.F12 U49.F13 U49.F14 U49.G12 U49.G13 U49.G14 U49.H5 U49.H6 U49.H7 U49.H17 U49.H18 U49.J12 U49.J13 U49.J14 U49.K5 U49.K6 U49.K7 U49.L12 U49.L13 U49.L14 U49.L17 U49.L18 U49.M5 U49.M6 U49.M7 U49.N5 U49.N6 U49.N7 U49.N8 U49.N10 U49.P5 U49.P6 U49.P7 U49.P8 U49.P10 U50.E9 U50.E11 U50.E12 U50.E13 U50.E14 U50.F9 U50.F11 U50.F12 U50.F13 U50.F14 U50.G12 U50.G13 U50.G14 U50.H5 U50.H6 U50.H7 U50.H17 U50.H18 U50.J12 U50.J13 U50.J14 U50.K5 U50.K6 U50.K7 U50.L12 U50.L13 U50.L14 U50.L17 U50.L18 U50.M5 U50.M6 U50.M7 U50.N5 U50.N6 U50.N7 U50.N8 U50.N10 U50.P5 U50.P6 U50.P7 U50.P8 U50.P10 U51.E9 U51.E11 U51.E12 

## Text inside footprints (layer, text, board x,y; h text height)
U36: PIN_NUMBER "M17" at 223.166,136.5 h0.24; PIN_NUMBER "M18" at 224.166,136.5 h0.24; PIN_NUMBER "J17" at 223.166,139.5 h0.24; PIN_NUMBER "J18" at 224.166,139.5 h0.24; PIN_NUMBER "J16" at 222.166,139.5 h0.24; PIN_NUMBER "C17" at 223.166,145.5 h0.24; PIN_NUMBER "C18" at 224.166,145.5 h0.24; PIN_NUMBER "A8" at 213.854,147.5 h0.24; PIN_NUMBER "D9" at 214.854,144.5 h0.24; PIN_NUMBER "C11" at 217.166,145.5 h0.24; PIN_NUMBER "B11" at 217.166,146.5 h0.24; PIN_NUMBER "A11" at 217.166,147.5 h0.24; PIN_NUMBER "D10" at 215.936,144.5 h0.24; PIN_NUMBER "C10" at 215.936,145.5 h0.24; PIN_NUMBER "B10" at 215.936,146.5 h0.24; PIN_NUMBER "A10" at 215.936,147.5 h0.24; PIN_NUMBER "C9" at 214.854,145.5 h0.24; PIN_NUMBER "B9" at 214.854,146.5 h0.24; PIN_NUMBER "A9" at 214.854,147.5 h0.24; PIN_NUMBER "D8" at 213.854,144.5 h0.24; PIN_NUMBER "C8" at 213.854,145.5 h0.24; PIN_NUMBER "B8" at 213.854,146.5 h0.24; PIN_NUMBER "D11" at 217.166,144.5 h0.24; PIN_NUMBER "D16" at 222.166,144.5 h0.24; PIN_NUMBER "K15" at 221.166,138.5 h0.24; PIN_NUMBER "K16" at 222.166,138.5 h0.24; PIN_NUMBER "E18" at 224.166,143.5 h0.24; PIN_NUMBER "F16" at 222.166,142.5 h0.24; PIN_NUMBER "M16" at 222.166,136.5 h0.24; PIN_NUMBER "B18" at 224.166,146.5 h0.24; PIN_NUMBER "G16" at 222.166,141.5 h0.24; PIN_NUMBER "C16" at 222.166,145.5 h0.24; PIN_NUMBER "G17" at 223.166,141.5 h0.24; PIN_NUMBER "P14" at 220.166,134.5 h0.24; PIN_NUMBER "N13" at 219.166,135.5 h0.24; PIN_NUMBER "N14" at 220.166,135.5 h0.24; PIN_NUMBER "M12" at 218.166,136.5 h0.24; PIN_NUMBER "M13" at 219.166,136.5 h0.24; PIN_NUMBER "M14" at 220.166,136.5 h0.24; PIN_NUMBER "H12" at 218.166,140.5 h0.24; PIN_NUMBER "H13" at 219.166,140.5 h0.24; PIN_NUMBER "H14" at 220.166,140.5 h0.24; PIN_NUMBER "E7" at 212.854,143.5 h0.24; PIN_NUMBER "F7" at 212.854,142.5 h0.24; PIN_NUMBER "E8" at 213.854,143.5 h0.24; PIN_NUMBER "F8" at 213.854,142.5 h0.24; PIN_NUMBER "L5" at 210.854,137.5 h0.24; PIN_NUMBER "L7" at 212.854,137.5 h0.24; PIN_NUMBER "G7" at 212.854,141.5 h0.24; PIN_NUMBER "G5" at 210.854,141.5 h0.24; PIN_NUMBER "F5" at 210.854,142.5 h0.24; PIN_NUMBER "E5" at 210.854,143.5 h0.24; PIN_NUMBER "P11" at 217.166,134.5 h0.24; PIN_NUMBER "N11" at 217.166,135.5 h0.24; PIN_NUMBER "P12" at 218.166,134.5 h0.24; PIN_NUMBER "N12" at 218.166,135.5 h0.24; PIN_NUMBER "P13" at 219.166,134.5 h0.24; PIN_NUMBER "E6" at 211.854,143.5 h0.24; PIN_NUMBER "L6" at 211.854,137.5 h0.24; PIN_NUMBER "G6" at 211.854,141.5 h0.24; PIN_NUMBER "F6" at 211.854,142.5 h0.24; PIN_NUMBER "K12" at 218.166,138.5 h0.24; PIN_NUMBER "K13" at 219.166,138.5 h0.24; PIN_NUMBER "K14" at 220.166,138.5 h0.24; PIN_NUMBER "E10" at 215.936,143.5 h0.24; PIN_NUMBER "F10" at 215.936,142.5 h0.24; PIN_NUMBER "J5" at 210.854,139.5 h0.24; PIN_NUMBER "J7" at 212.854,139.5 h0.24; PIN_NUMBER "N9" at 214.854,135.5 h0.24; PIN_NUMBER "P9" at 214.854,134.5 h0.24; PIN_NUMBER "J6" at 211.854,139.5 h0.24; PIN_NUMBER "C13" at 219.166,145.5 h0.24; PIN_NUMBER "B13" at 219.166,146.5 h0.24; PIN_NUMBER "A13" at 219.166,147.5 h0.24; PIN_NUMBER "D14" at 220.166,144.5 h0.24; PIN_NUMBER "C14" at 220.166,145.5 h0.24; PIN_NUMBER "B14" at 220.166,146.5 h0.24; PIN_NUMBER "A14" at 220.166,147.5 h0.24; PIN_NUMBER "K17" at 223.166,138.5 h0.24; PIN_NUMBER "K18" at 224.166,138.5 h0.24; PIN_NUMBER "L15" at 221.166,137.5 h0.24; PIN_NUMBER "L16" at 222.166,137.5 h0.24; PIN_NUMBER "V8" at 213.854,130.5 h0.24; PIN_NUMBER "R9" at 214.854,133.5 h0.24; PIN_NUMBER "T11" at 217.166,132.5 h0.24; PIN_NUMBER "U11" at 217.166,131.5 h0.24; PIN_NUMBER "V11" at 217.166,130.5 h0.24; PIN_NUMBER "R10" at 215.936,133.5 h0.24; PIN_NUMBER "T10" at 215.936,132.5 h0.24; PIN_NUMBER "U10" at 215.936,131.5 h0.24; PIN_NUMBER "V10" at 215.936,130.5 h0.24; PIN_NUMBER "T9" at 214.854,132.5 h0.24; PIN_NUMBER "U9" at 214.854,131.5 h0.24; PIN_NUMBER "V9" at 214.854,130.5 h0.24; PIN_NUMBER "R8" at 213.854,133.5 h0.24; PIN_NUMBER "T8" at 213.854,132.5 h0.24; PIN_NUMBER "U8" at 213.854,131.5 h0.24; PIN_NUMBER "R11" at 217.166,133.5 h0.24; PIN_NUMBER "A3" at 208.854,147.5 h0.24; PIN_NUMBER "D5" at 210.854,144.5 h0.24; PIN_NUMBER "C7" at 212.854,145.5 h0.24; PIN_NUMBER "B7" at 212.854,146.5 h0.24; PIN_NUMBER "A7" at 212.854,147.5 h0.24; PIN_NUMBER "D6" at 211.854,144.5 h0.24; PIN_NUMBER "C6" at 211.854,145.5 h0.24; PIN_NUMBER "B6" at 211.854,146.5 h0.24; PIN_NUMBER "A6" at 211.854,147.5 h0.24; PIN_NUMBER "C5" at 210.854,145.5 h0.24; PIN_NUMBER "B5" at 210.854,146.5 h0.24; PIN_NUMBER "A5" at 210.854,147.5 h0.24; PIN_NUMBER "C4" at 209.854,145.5 h0.24; PIN_NUMBER "B4" at 209.854,146.5 h0.24; PIN_NUMBER "A4" at 209.854,147.5 h0.24; PIN_NUMBER "D7" at 212.854,144.5 h0.24; PIN_NUMBER "R17" at 223.166,133.5 h0.24; PIN_NUMBER "V18" at 224.166,130.5 h0.24; PIN_NUMBER "P18" at 224.166,134.5 h0.24; PIN_NUMBER "P17" at 223.166,134.5 h0.24; PIN_NUMBER "P16" at 222.166,134.5 h0.24; PIN_NUMBER "N18" at 224.166,135.5 h0.24; PIN_NUMBER "N17" at 223.166,135.5 h0.24; PIN_NUMBER "N16" at 222.166,135.5 h0.24; PIN_NUMBER "N15" at 221.166,135.5 h0.24; PIN_NUMBER "U18" at 224.166,131.5 h0.24; PIN_NUMBER "U17" at 223.166,131.5 h0.24; PIN_NUMBER "T18" at 224.166,132.5 h0.24; PIN_NUMBER "T17" at 223.166,132.5 h0.24; PIN_NUMBER "T16" at 222.166,132.5 h0.24; PIN_NUMBER "R18" at 224.166,133.5 h0.24; PIN_NUMBER "R16" at 222.166,133.5 h0.24; PIN_NUMBER "V12" at 218.166,130.5 h0.24; PIN_NUMBER "R13" at 219.166,133.5 h0.24; PIN_NUMBER "T15" at 221.166,132.5 h0.24; PIN_NUMBER "U15" at 221.166,131.5 h0.24; PIN_NUMBER "V15" at 221.166,130.5 h0.24; PIN_NUMBER "R14" at 220.166,133.5 h0.24; PIN_NUMBER "T14" at 220.166,132.5 h0.24; PIN_NUMBER "U14" at 220.166,131.5 h0.24; PIN_NUMBER "V14" at 220.166,130.5 h0.24; PIN_NUMBER "T13" at 219.166,132.5 h0.24; PIN_NUMBER "U13" at 219.166,131.5 h0.24; PIN_NUMBER "V13" at 219.166,130.5 h0.24; PIN_NUMBER "R12" at 218.166,133.5 h0.24; PIN_NUMBER "T12" at 218.166,132.5 h0.24; PIN_NUMBER "U12" at 218.166,131.5 h0.24; PIN_NUMBER "V16" at 222.166,130.5 h0.24; PIN_NUMBER "V6" at 211.854,130.5 h0.24; PIN_NUMBER "R7" at 212.854,133.5 h0.24; PIN_NUMBER "T5" at 210.854,132.5 h0.24; PIN_NUMBER "U5" at 210.854,131.5 h0.24; PIN_NUMBER "V5" at 210.854,130.5 h0.24; PIN_NUMBER "T4" at 209.854,132.5 h0.24; PIN_NUMBER "U4" at 209.854,131.5 h0.24; PIN_NUMBER "V4" at 209.854,130.5 h0.24; PIN_NUMBER "V3" at 208.854,130.5 h0.24; PIN_NUMBER "T7" at 212.854,132.5 h0.24; PIN_NUMBER "U7" at 212.854,131.5 h0.24; PIN_NUMBER "V7" at 212.854,130.5 h0.24; PIN_NUMBER "R6" at 211.854,133.5 h0.24; PIN_NUMBER "T6" at 211.854,132.5 h0.24; PIN_NUMBER "U6" at 211.854,131.5 h0.24; PIN_NUMBER "R5" at 210.854,133.5 h0.24; PIN_NUMBER "C15" at 221.166,145.5 h0.24; PIN_NUMBER "B15" at 221.166,146.5 h0.24; PIN_NUMBER "A15" at 221.166,147.5 h0.24; PIN_NUMBER "B16" at 222.166,146.5 h0.24; PIN_NUMBER "A16" at 222.166,147.5 h0.24; PIN_NUMBER "A17" at 223.166,147.5 h0.24; PIN_NUMBER "A18" at 224.166,147.5 h0.24; PIN_NUMBER "B17" at 223.166,146.5 h0.24; PIN_NUMBER "H16" at 222.166,140.5 h0.24; PIN_NUMBER "H15" at 221.166,140.5 h0.24; PIN_NUMBER "B12" at 218.166,146.5 h0.24; PIN_NUMBER "C12" at 218.166,145.5 h0.24; PIN_NUMBER "A12" at 218.166,147.5 h0.24; PIN_NUMBER "D13" at 219.166,144.5 h0.24; PIN_NUMBER "F17" at 223.166,142.5 h0.24; PIN_NUMBER "F18" at 224.166,142.5 h0.24; PIN_NUMBER "D17" at 223.166,144.5 h0.24; PIN_NUMBER "D18" at 224.166,144.5 h0.24; PIN_NUMBER "E16" at 222.166,143.5 h0.24; PIN_NUMBER "E17" at 223.166,143.5 h0.24; PIN_NUMBER "L12" at 218.166,137.5 h0.24; PIN_NUMBER "L13" at 219.166,137.5 h0.24; PIN_NUMBER "L14" at 220.166,137.5 h0.24; PIN_NUMBER "L17" at 223.166,137.5 h0.24; PIN_NUMBER "J12" at 218.166,139.5 h0.24; PIN_NUMBER "J13" at 219.166,139.5 h0.24; PIN_NUMBER "J14" at 220.166,139.5 h0.24; PIN_NUMBER "H17" at 223.166,140.5 h0.24; PIN_NUMBER "H18" at 224.166,140.5 h0.24; PIN_NUMBER "G12" at 218.166,141.5 h0.24; PIN_NUMBER "G13" at 219.166,141.5 h0.24; PIN_NUMBER "G14" at 220.166,141.5 h0.24; PIN_NUMBER "F13" at 219.166,142.5 h0.24; PIN_NUMBER "F14" at 220.166,142.5 h0.24; PIN_NUMBER "E14" at 220.166,143.5 h0.24; PIN_NUMBER "E9" at 214.854,143.5 h0.24; PIN_NUMBER "F9" at 214.854,142.5 h0.24; PIN_NUMBER "F11" at 217.166,142.5 h0.24; PIN_NUMBER "E11" at 217.166,143.5 h0.24; PIN_NUMBER "F12" at 218.166,142.5 h0.24; PIN_NUMBER "E12" at 218.166,143.5 h0.24; PIN_NUMBER "E13" at 219.166,143.5 h0.24; PIN_NUMBER "P5" at 210.854,134.5 h0.24; PIN_NUMBER "N5" at 210.854,135.5 h0.24; PIN_NUMBER "M5" at 210.854,136.5 h0.24; PIN_NUMBER "M7" at 212.854,136.5 h0.24; PIN_NUMBER "K5" at 210.854,138.5 h0.24; PIN_NUMBER "K7" at 212.854,138.5 h0.24; PIN_NUMBER "H5" at 210.854,140.5 h0.24; PIN_NUMBER "H7" at 212.854,140.5 h0.24; PIN_NUMBER "N7" at 212.854,135.5 h0.24; PIN_NUMBER "P7" at 212.854,134.5 h0.24; PIN_NUMBER "N8" at 213.854,135.5 h0.24; PIN_NUMBER "P8" at 213.854,134.5 h0.24; PIN_NUMBER "P10" at 215.936,134.5 h0.24; PIN_NUMBER "N10" at 215.936,135.5 h0.24; PIN_NUMBER "L18" at 224.166,137.5 h0.24; PIN_NUMBER "N6" at 211.854,135.5 h0.24; PIN_NUMBER "M6" at 211.854,136.5 h0.24; PIN_NUMBER "K6" at 211.854,138.5 h0.24; PIN_NUMBER "H6" at 211.854,140.5 h0.24; PIN_NUMBER "P6" at 211.854,134.5 h0.24; PIN_NUMBER "D12" at 218.166,144.5 h0.24; PIN_NUMBER "G15" at 221.166,141.5 h0.24; PIN_NUMBER "M15" at 221.166,136.5 h0.24; PIN_NUMBER "G18" at 224.166,141.5 h0.24; PIN_NUMBER "R15" at 221.166,133.5 h0.24; PIN_NUMBER "P15" at 221.166,134.5 h0.24; PIN_NUMBER "J15" at 221.166,139.5 h0.24; PIN_NUMBER "F15" at 221.166,142.5 h0.24; PIN_NUMBER "E15" at 221.166,143.5 h0.24; PIN_NUMBER "D15" at 221.166,144.5 h0.24; PIN_NUMBER "V17" at 223.166,130.5 h0.24; PIN_NUMBER "U16" at 222.166,131.5 h0.24; PIN_NUMBER "M3" at 208.854,136.5 h0.24; PIN_NUMBER "M1" at 206.624,136.5 h0.24; PIN_NUMBER "R4" at 209.854,133.5 h0.24; PIN_NUMBER "N2" at 207.854,135.5 h0.24; PIN_NUMBER "F3" at 208.854,142.5 h0.24; PIN_NUMBER "D1" at 206.624,144.5 h0.24; PIN_NUMBER "D4" at 209.854,144.5 h0.24; PIN_NUMBER "D3" at 208.854,144.5 h0.24; PIN_NUMBER "C3" at 208.854,145.5 h0.24; PIN_NUMBER "C2" at 207.854,145.5 h0.24; PIN_NUMBER "C1" at 206.624,145.5 h0.24; PIN_NUMBER "B3" at 208.854,146.5 h0.24; PIN_NUMBER "B2" at 207.854,146.5 h0.24; PIN_NUMBER "V2" at 207.854,130.5 h0.24; PIN_NUMBER "V1" at 206.624,130.5 h0.24; PIN_NUMBER "B1" at 206.624,146.5 h0.24; PIN_NUMBER "U3" at 208.854,131.5 h0.24; PIN_NUMBER "U2" at 207.854,131.5 h0.24; PIN_NUMBER "U1" at 206.624,131.5 h0.24; PIN_NUMBER "T3" at 208.854,132.5 h0.24; PIN_NUMBER "T2" at 207.854,132.5 h0.24; PIN_NUMBER "T1" at 206.624,132.5 h0.24; PIN_NUMBER "R2" at 207.854,133.5 h0.24; PIN_NUMBER "R1" at 206.624,133.5 h0.24; PIN_NUMBER "P4" at 209.854,134.5 h0.24; PIN_NUMBER "P3" at 208.854,134.5 h0.24; PIN_NUMBER "A2" at 207.854,147.5 h0.24; PIN_NUMBER "P2" at 207.854,134.5 h0.24; PIN_NUMBER "P1" at 206.624,134.5 h0.24; PIN_NUMBER "N4" at 209.854,135.5 h0.24; PIN_NUMBER "N3" at 208.854,135.5 h0.24; PIN_NUMBER "F2" at 207.854,142.5 h0.24; PIN_NUMBER "F1" at 206.624,142.5 h0.24; PIN_NUMBER "E4" at 209.854,143.5 h0.24; PIN_NUMBER "E3" at 208.854,143.5 h0.24; PIN_NUMBER "E2" at 207.854,143.5 h0.24; PIN_NUMBER "E1" at 206.624,143.5 h0.24; PIN_NUMBER "A1" at 206.624,147.5 h0.24; PIN_NUMBER "R3" at 208.854,133.5 h0.24; PIN_NUMBER "N1" at 206.624,135.5 h0.24; PIN_NUMBER "F4" at 209.854,142.5 h0.24; PIN_NUMBER "D2" at 207.854,144.5 h0.24; PIN_NUMBER "J4" at 209.854,139.5 h0.24; PIN_NUMBER "J3" at 208.854,139.5 h0.24; PIN_NUMBER "M4" at 209.854,136.5 h0.24; PIN_NUMBER "J1" at 206.624,139.5 h0.24; PIN_NUMBER "J2" at 207.854,139.5 h0.24; PIN_NUMBER "M2" at 207.854,136.5 h0.24; PIN_NUMBER "G1" at 206.624,141.5 h0.24; PIN_NUMBER "G2" at 207.854,141.5 h0.24; PIN_NUMBER "K4" at 209.854,138.5 h0.24; PIN_NUMBER "H2" at 207.854,140.5 h0.24; PIN_NUMBER "L1" at 206.624,137.5 h0.24; PIN_NUMBER "H1" at 206.624,140.5 h0.24; PIN_NUMBER "L2" at 207.854,137.5 h0.24; PIN_NUMBER "G4" at 209.854,141.5 h0.24; PIN_NUMBER "L3" at 208.854,137.5 h0.24; PIN_NUMBER "G3" at 208.854,141.5 h0.24; PIN_NUMBER "L4" at 209.854,137.5 h0.24; PIN_NUMBER "K1" at 206.624,138.5 h0.24; PIN_NUMBER "H4" at 209.854,140.5 h0.24; PIN_NUMBER "K3" at 208.854,138.5 h0.24; PIN_NUMBER "H3" at 208.854,140.5 h0.24; PIN_NUMBER "K2" at 207.854,138.5 h0.24